# KiCad board FCSat_dual.kicad_pcb (continued)
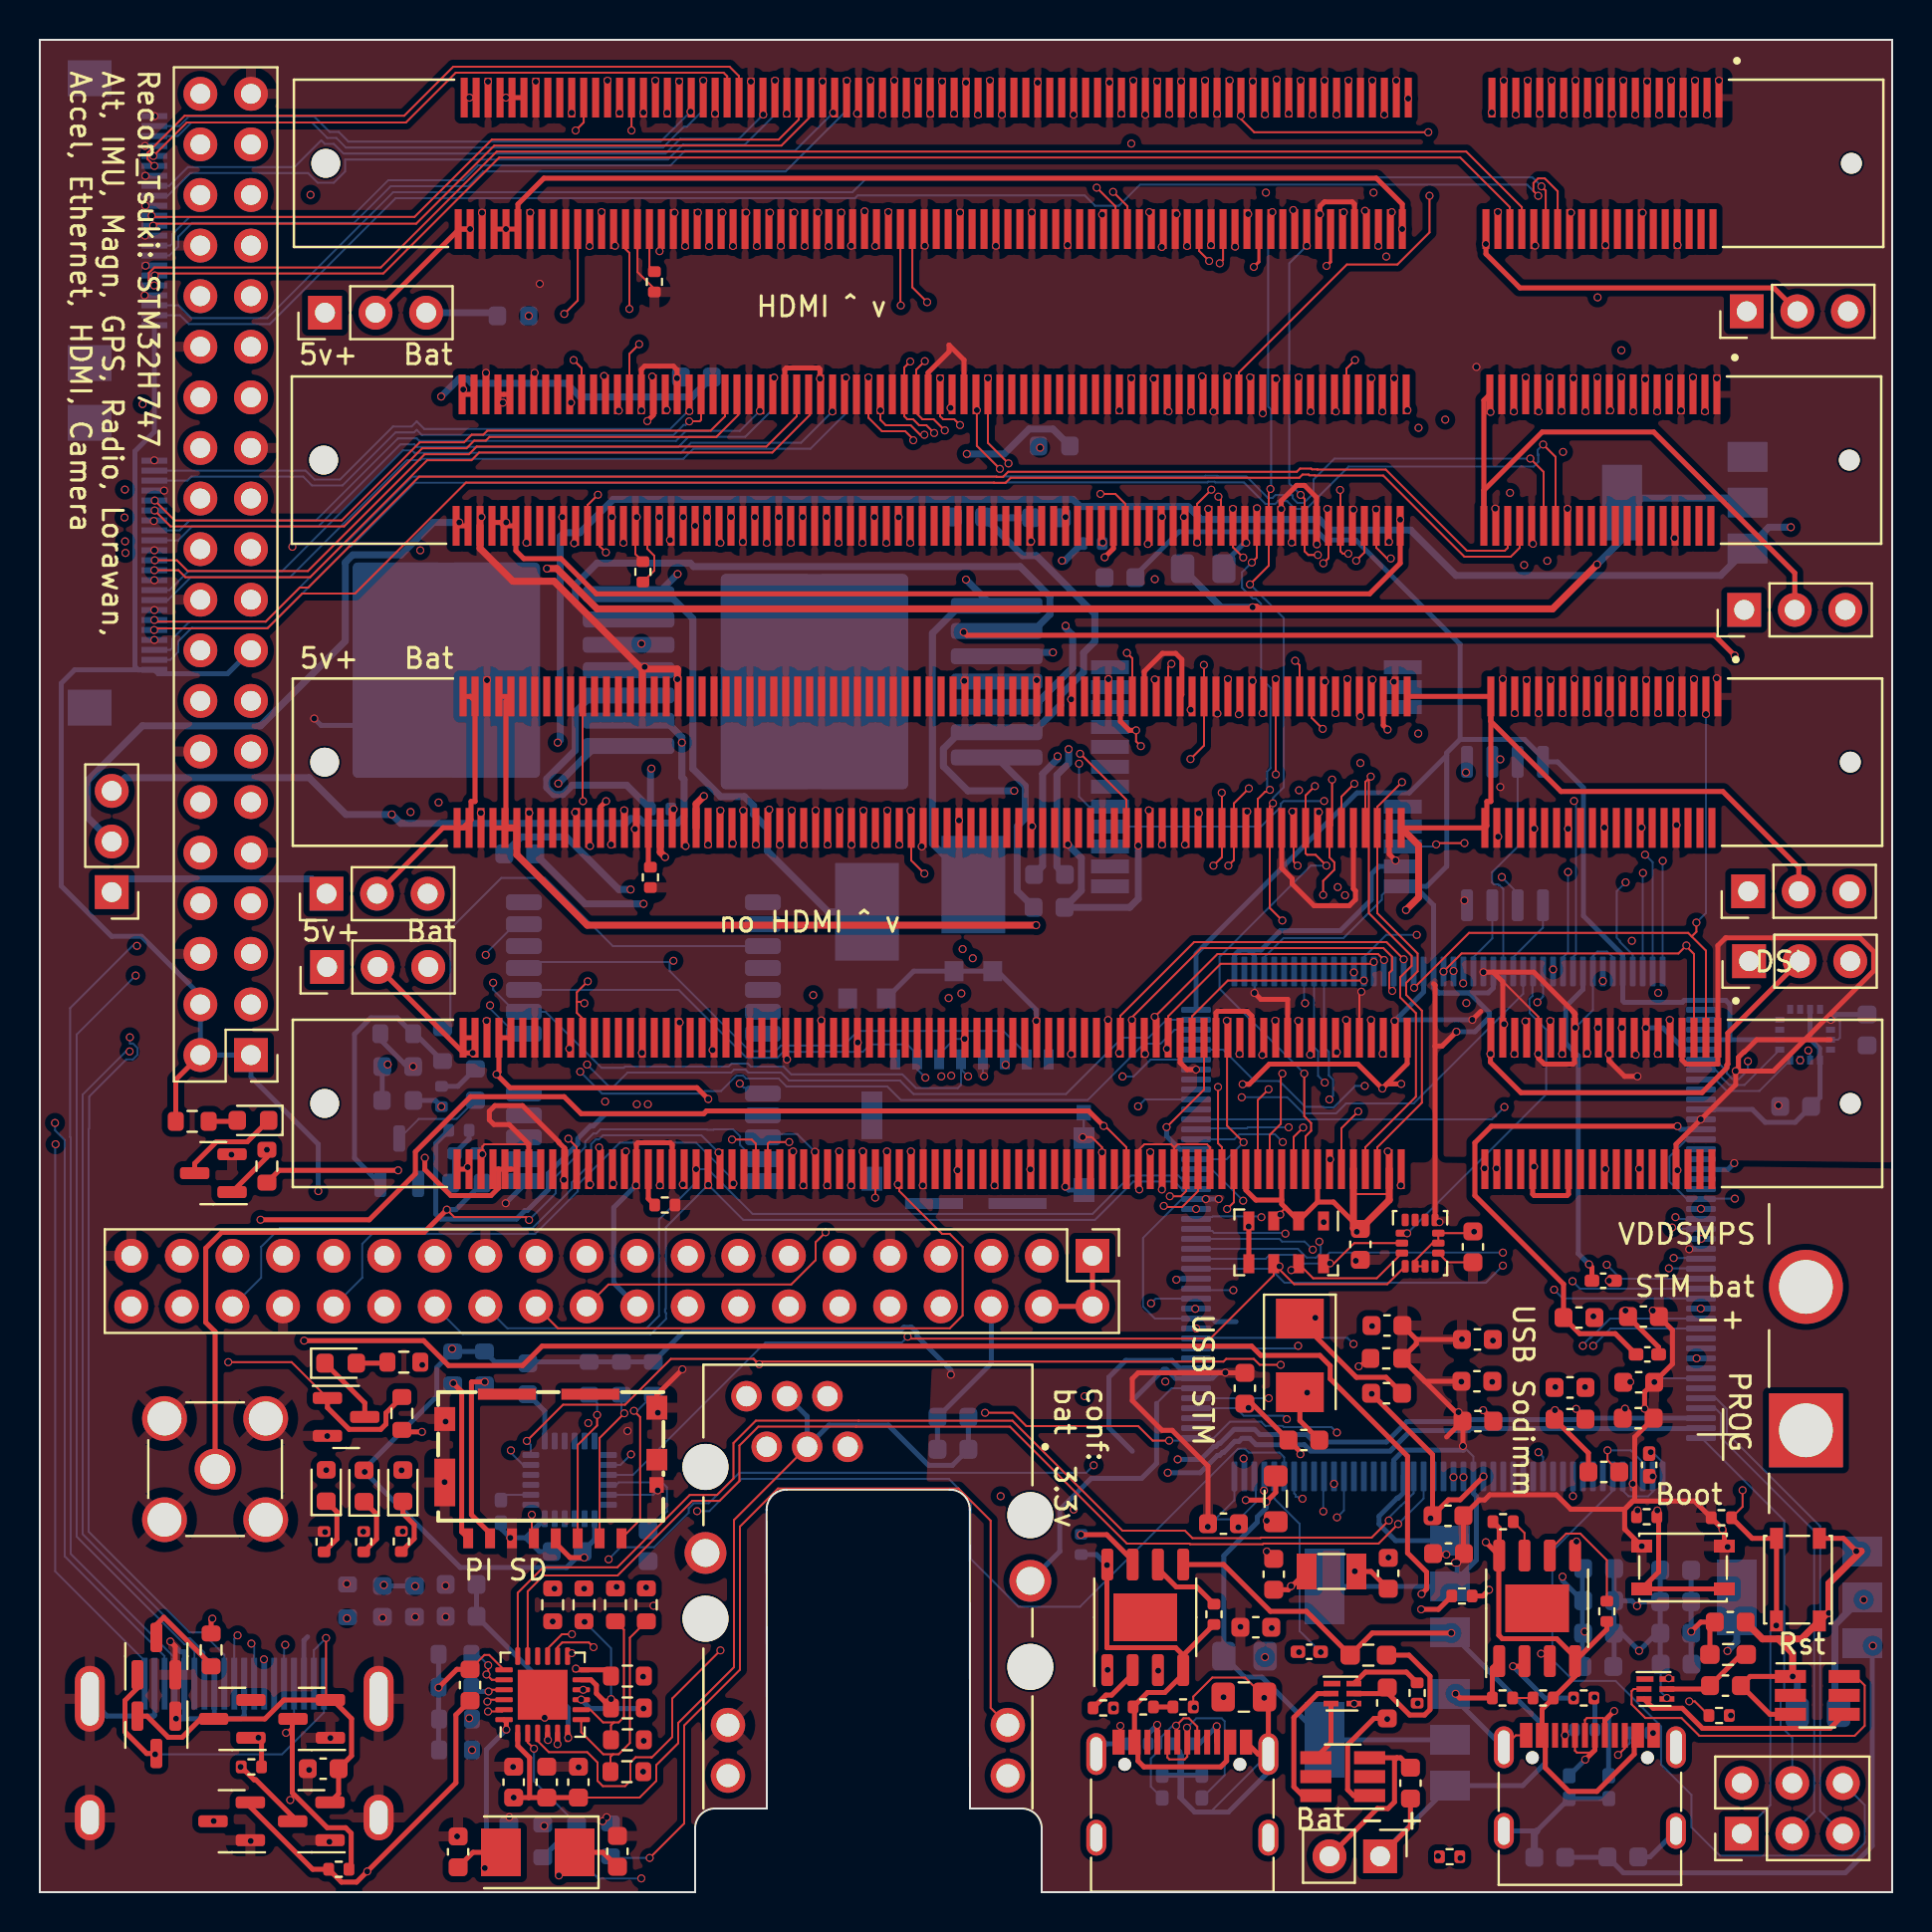
[diagram p0: board, top side]
## Routing (per net, layer and track width the routed paths; a pad name or vN(x,y) marks a point on that pad's centre or on a via; arc(x,y) is an arc through that point) (continued)
  Bottom w0.1: v1(67.73,18.66) 67.73,18.81 68.34,19.42 68.36,19.42 68.98,20.03 MainMCU1.158
U0_RX: length 125.7
  In1.Cu w0.1: v1(34.82,35.58) 34.82,37.15 34.32,37.66 34.32,37.92 34.74,38.34 34.74,40.43 34.74,40.43 34.74,40.76 34.79,40.81 v1(34.79,52.67) 34.7,52.75 v1(34.7,69.04) 34.67,69.07 34.67,74.7 34.8,74.83 34.8,75.84 34.81,75.85 34.81,76.19 34.8,76.2 v1(34.8,82.65)
  In2.Cu w0.1: v1(34.79,52.67) 35.43,52.02 58.41,52.02 58.68,52.29 67.56,52.29 67.78,52.5 68.53,52.5 68.94,52.09 v1(80.59,52.09)
  Bottom w0.1: P4.32 16.19,30.85 16.19,32.55 16.69,33.05 24.87,33.05 27.01,35.19 27.01,35.51 29.12,37.63 32.95,37.63 34.82,35.76 v1(34.82,35.58) ; v1(80.59,52.09) 80.98,51.71 MainMCU1.87
U0_TX: length 133
  In1.Cu w0.1: v1(34.27,84.32) 34,84.05 34,74.47 34.13,74.34 34.13,67.79 v1(34.17,67.75) 34.22,67.7 34.22,54.35 v1(34.17,54.3) 34.17,52.46 34.48,52.15 34.48,40.91 34.43,40.86 34.43,38.52 34.37,38.46 34.37,38.39 34.02,38.04 34.02,37.53 34.08,37.47 v1(34.08,37.14)
  In2.Cu w0.1: v1(81.48,51.78) 81.39,51.69 68.74,51.69 68.23,52.2 67.9,52.2 67.66,51.96 58.78,51.96 58.54,51.72 35.17,51.72 34.17,52.72 v1(34.17,54.3)
  Bottom w0.1: P4.36 11.11,30.85 11.11,32.41 12.05,33.35 24.74,33.35 26.71,35.31 26.71,35.64 27.69,36.62 27.69,37.22 27.68,37.23 27.68,37.56 27.92,37.79 28.07,37.79 28.28,38 33.21,38 v1(34.08,37.14) ; MainMCU1.88 81.48,51.77 v1(81.48,51.78)
U1_RX: length 94.7
  Top w0.35: 32.95,53.43 32.95,54.64 v1(33.34,55.03)
  In1.Cu w0.1: v1(32.95,36.3) 32.88,36.37 32.88,54.57 v1(33.34,55.03) 33.34,68.16 v1(32.9,68.6) 33.03,68.73 33.03,84.31 v1(33.04,84.32)
  Bottom w0.1: P4.26 23.47,28.31 30.46,28.31 31.09,28.94 31.09,33.78 32.95,35.64 v1(32.95,36.3) 33.54,36.3 35.79,34.05 52.85,34.05 54.78,35.98 57.16,35.98 57.34,35.8 MainMCU1.27
U1_TX: length 94.4
  In1.Cu w0.1: v1(33.6,82.65) 33.6,74.26 33.33,73.99 33.33,69.21 v1(33.5,69.04) 33.77,68.77 ; 33.77,52.82 v1(33.55,52.6) 34.18,51.97 34.18,41.03 34.07,40.92 34.07,38.52 33.84,38.28 33.77,38.28 33.72,38.23 33.72,38.08 33.62,37.98 33.62,35.57 v1(33.56,35.51)
  In1.Cu w0.15: 33.77,52.82 33.77,68.77
  Bottom w0.1: P4.28 21.23,28.01 30.66,28.01 31.44,28.79 31.44,29.07 31.39,29.12 31.39,29.25 31.43,29.29 31.43,33.38 v1(33.56,35.51) 35.32,33.75 52.97,33.75 54.9,35.68 56.96,35.68 57.34,35.3 MainMCU1.26
u1Rx: length 47.3
  In1.Cu w0.1: v1(64.48,54.78) 64.97,54.29 64.97,51.72 64.99,51.69 64.99,51.36 64.76,51.13 64.76,50.31 64.83,50.24 64.83,49.9 64.62,49.69 64.62,42.1 65.66,41.06 65.66,40.81 65.5,40.65 65.5,33.36 64.38,32.23 64.38,31.41 64.48,31.31 64.48,21 v1(64.98,20.5)
  Bottom w0.1: LoRaWan1.4 61.3,53.5 62.31,54.51 62.31,54.65 62.44,54.78 v1(64.48,54.78)
u1Tx: length 58.1
  In1.Cu w0.1: v1(52.18,56.66) 51.21,55.69 51.21,36.26 51.89,35.59 51.89,33.19 51.75,33.05 51.75,19.37 v1(51.91,19.21)
  In2.Cu w0.1: v1(51.91,19.21) 53.3,17.82 64.13,17.82 v1(65.13,18.82)
  Bottom w0.1: v1(65.13,18.82) 65.48,19.17 MainMCU1.165 ; v1(52.18,56.66) 52.18,55 52.68,54.5 LoRaWan1.5
U2_RX: length 108.7
  Top w0.1: v1(44.41,51.14) 43.75,51.8 43.75,53.43 ; v1(39.45,33.13) 38.95,32.63 38.95,31.73 37.73,30.51 28.55,30.51 P4.22 ; 43.8,83.5 43.8,80.57 v1(44.55,79.83)
  In1.Cu w0.1: v1(39.45,33.13) 41.23,33.13 43.73,35.63 v1(43.73,37.19) 43.75,37.21 43.75,54.25 v1(43.71,54.29) 43.75,54.33 43.75,67.7 v1(43.7,67.75) 43.7,72.33 43.41,72.63 43.41,73.16 44.64,74.39 44.64,76.44 45,76.8 45,79.38 v1(44.55,79.83)
  In2.Cu w0.1: v1(76.73,51.22) 76.56,51.38 73.26,51.38 73.01,51.14 v1(44.41,51.14)
  Bottom w0.1: MainMCU1.78 76.48,46.93 76.73,47.19 v1(76.73,51.22)
U2_TX: length 122.9
  Top w0.1: 43.2,83.5 43.2,79.69 v1(43.23,79.67) ; P4.24 26.01,28.31 45.69,28.31 46.33,28.95 46.33,32.41 45.69,33.05 45.3,33.05 43.15,35.2 U5.126
  In1.Cu w0.1: v1(43.08,35.54) 43.18,35.64 43.18,52.57 v1(43.15,52.6) 43.15,67.88 43.13,67.9 43.13,69.02 v1(43.12,69.03) 43.11,69.04 43.11,73.36 43.58,73.82 43.58,76.1 43.23,76.45 v1(43.23,79.67)
  In2.Cu w0.1: v1(77.03,54.79) 76.57,54.33 71.86,54.33 70.64,53.11 43.66,53.11 v1(43.15,52.6)
  Bottom w0.1: v1(77.03,54.79) 77.13,54.69 77.13,47.1 76.98,46.94 MainMCU1.79
USART1_RX: length 24.6
  Bottom w0.1: MainMCU1.129 84.11,24.3 84.4,24.01 84.4,22.82 89.08,18.14 89.08,4.03 J12.3
USART1_TX: length 25.3
  Bottom w0.1: 90.52,2.93 89.38,4.08 89.38,18.37 84.7,23.05 84.7,24.25 84.15,24.8 MainMCU1.128
USB_D_N: length 134.1
  Top w0.1: USB_C_ESP3.A7 78.08,7.22 77.86,7 77.17,7 77.08,7.1 USB_C_ESP3.B7
  Top w0.25: v1(30.5,73.86) 30.8,74.16 U3.167 ; USB_C_ESP3.A7 78.08,7.14 v1(77.59,6.66)
  In1.Cu w0.1: v1(30.74,76.09) 30.71,76.12 30.71,82.55 30.95,82.79 30.95,90.9 v1(30.9,90.95)
  In1.Cu w0.25: v1(69.22,73.52) 69.68,73.06 69.68,52.85 69.63,52.8 69.63,47.43 69.15,46.95 69.15,46.84 68.48,46.17 68.48,45.21 68.49,45.2 68.49,41.39 67.88,40.78 67.88,40.38 68.15,40.11 68.15,35.98 67.73,35.56 67.73,19.63 70.14,17.22 70.14,12.67 76.15,6.66 v1(77.59,6.66)
  In2.Cu w0.25: v1(69.22,73.52) 47.01,73.52 46.4,74.13 46,74.13 45.74,73.87 ; v1(30.5,73.86) 30.99,73.37 43.58,73.37 44.13,73.92 45.69,73.92 45.7,73.91
  Bottom w0.25: 76.79,5.85 v1(77.59,6.66)
USB_D_P: length 133.9
  Top w0.1: USB_C_ESP3.A6 77.58,8.64 77.67,8.74 78.48,8.74 78.58,8.64 USB_C_ESP3.B6
  Top w0.25: v1(79.04,9.09) 78.58,8.63 USB_C_ESP3.B6
  In1.Cu w0.1: v1(31.47,74.42) 31.59,74.54 31.59,83.98 31.47,84.11 31.47,89.31 v1(31.5,89.34)
  In1.Cu w0.25: v1(70.56,73.93) 70.69,73.8 70.69,47.11 69.79,46.21 69.79,21.35 73.06,18.08 77.35,18.08 79.04,16.39 v1(79.04,9.09)
  In2.Cu w0.25: v1(70.56,73.93) 69.61,74.88 46.03,74.88 45.92,74.99 45.53,74.99 45.42,74.88 44.35,74.88 44.2,74.73 43.81,74.73 43.66,74.87 43.66,74.87 43.65,74.88 31.93,74.88 v1(31.47,74.42)
  Bottom w0.25: v1(79.04,9.09) 78.76,8.82 78.76,5.85
~{Reset}: length 57.5
  Top w0.1: v1(26.71,12.95) 26.22,12.95 25.5,12.23
  In1.Cu w0.1: v1(26.71,12.95) 26.71,12.95 26.71,22.73 v1(27.54,23.55)
  In2.Cu w0.1: v1(27.54,23.55) 28.38,22.71 32.28,22.71 32.32,22.75 34,22.75 35.74,21.01 56.11,21.01 56.46,20.66 56.8,20.66 57.15,21.01 62.43,21.01 62.64,20.8 63.14,20.8 63.35,21.01 70.8,21.01 v1(70.98,20.83)
Net-(1.8vReg1-VI): length 38.1
  Top w0.25: BAT1.1 68.82,3.32 C35.1 ; BATCharge1.5 59.43,16.45 61.78,14.1 63.59,14.1 R15.1 66.9,13.01 v1(70.86,13.01)
  Bottom w0.25: 67.29,1.84 1.8vReg1.3 74.45,5.35 75.58,6.49 75.58,8.27 VoltReg1.3
Net-(#FLG01-pwr): length 9.8
  Top w0.25: v1(26.53,7.76) 26.53,7.94 U1.6
  Bottom w0.25: v1(26.53,7.76) 26.53,9.24 21.92,13.85 21.92,15.45
Net-(#FLG02-pwr): length 61.5
  Top w0.1: C46.1 30.11,4.75 30.95,5.59 30.95,6.38 32.05,7.48 32.05,8.49 34.85,11.29 34.85,18.68 J5.5 ; L4.2 22.32,11.91 22.56,11.91 U1.19
  Top w0.25: v1(20.02,10.27) 20.94,11.19 L4.2 ; C46.1 24.55,4.75 ; 24.55,4.75 v1(23.79,4.75) ; 24.55,4.75 24.59,4.79 24.59,6.75 24,7.35 U1.1
  In1.Cu w0.1: v1(23.79,4.75) 23.52,4.75 20.02,8.25 v1(20.02,10.27)
  Bottom w0.25: C47.1 C48.1 45.81,21.43 44.62,21.43 42.6,23.45 39.62,23.45 J5.5 38.53,23.88 J5.11 ; 20.02,7.16 v1(20.02,10.27) R28.1
Net-(Accel1-CPOUT): length 1.6
  Bottom w0.1: C31.1 23.42,19.95 Accel1.20
Net-(Accel1-REGOUT): length 5.6
  Bottom w0.1: Accel1.10 28.94,20.45 29.06,20.57 31.24,20.57 31.48,20.33 31.48,19.11 C32.2
Net-(BATCharge1-Prog): length 2.7
  Top w0.25: R13.1 53.52,9.89 53.81,9.89 54.86,10.95
Net-(BATCharge1-~{CHRG}): length 3.1
  Top w0.25: v1(52.27,17.95) 53.57,17.95 54.86,16.65
Net-(BATCharge1-~{STDBY}): length 3.6
  Top w0.25: 56.14,16.25 57.06,15.32 58.08,15.32 R9.1
Net-(BATCharge2-BAT): length 6.4
  Top w0.25: v1(72.76,15.18) 72.45,14.87 R61.1
  In1.Cu w0.25: v1(72.76,15.18) 75.18,17.6 v1(77.15,17.6)
Net-(BATCharge2-Prog): length 4.4
  Top w0.25: v1(73.96,11.34) 74.28,11.34 BATCharge2.2
  Bottom w0.25: v1(73.96,11.34) 75.56,9.74 v1(77,9.74)
Net-(BATCharge2-~{CHRG}): length 1.9
  Top w0.1: BATCharge2.7 74.54,18.03 73.98,18.6
Net-(BATCharge2-~{STDBY}): length 5.8
  Top w0.1: 75.81,17.18 76.63,18 77.34,18 78.67,16.67 R49.1
Net-(BatProt1-BAT): length 8.8
  Top w0.25: 65.98,9.97 67.35,9.97 67.65,10.27 ; 67.65,10.02 68.77,8.89 69.52,8.89 69.8,9.16 69.8,10.84 68.74,11.9 R15.2
Net-(BatProt1-Cout): length 7.1
  Top w0.25: PowerMosfet1.6 63.4,4.85 62.96,5.29 62.96,8.77 64.16,9.97 BatProt1.2
Net-(BatProt1-Dout): length 3
  Top w0.25: BatProt1.3 64.83,7.51 PowerMosfet1.4
Net-(BatProt1-V-): length 3.6
  Top w0.25: R14.1 68.61,11.05 66.55,11.05 65.98,10.47
Net-(BatProt2-BAT): length 4.2
  Top w0.25: BatProt2.5 83.69,10.2 ; 85.42,11.93 C51.2
Net-(BatProt2-Cout): length 16.6
  Top w0.1: BatProt2.2 80.02,10.2 79.92,10.09 79.92,9.43 80.61,8.74 82.42,8.74 83.32,7.85 91.12,7.85 91.62,8.35 91.62,10.38 91.17,10.83
Net-(BatProt2-Dout): length 11
  Top w0.25: BatProt2.3 81.01,9.23 82.46,9.23 83.47,8.22 89.89,8.22 PowerMosfet2.4
Net-(BatProt2-V-): length 2.9
  Top w0.1: v1(82.81,9.58) 83.09,9.58 R54.1
  In1.Cu w0.1: v1(81.78,10.74) 82.81,9.71 v1(82.81,9.58)
Net-(C5-Pad2): length 16.4
  Top w0.25: C5.2 77.93,31.37 v1(77.78,31.52)
  Bottom w0.25: MainMCU1.80 77.48,45.32 76.61,44.46 76.61,42.62 77.24,41.99 77.24,32.06 v1(77.78,31.52)
Net-(C6-Pad2): length 1.5
  Bottom w0.1: v1(80.88,22.09) 80.97,22.09 81.48,21.58 MainMCU1.133
Net-(C7-Pad2): length 47.8
  Top w0.1: C7.2 78.71,21.69 v1(78.71,22.18)
  In1.Cu w0.1: v1(78.71,22.18) 79.18,22.66 79.18,42.29 79,42.47 79,45.23 v1(78.47,45.75)
  In2.Cu w0.1: v1(78.71,22.18) 77.85,21.33 60.88,21.33 v1(60.44,21.77)
  Bottom w0.1: MainMCU1.175 60.48,21.73 v1(60.44,21.77) ; v1(78.71,22.18) 79.88,22.18 80.48,21.58 MainMCU1.135
Net-(C23-Pad2): length 9.8
  Bottom w0.1: MainMCU1.172 61.98,19.77 63.25,18.49 63.25,13.11 v1(64.31,12.05)
Net-(C33-Pad1): length 2.8
  Bottom w0.25: 20.82,35.78 C33.1 21.55,37.82 R4.1
Net-(D1-A): length 2.1
  Bottom w0.25: D1.2 20.99,40.46 R6.1
Net-(D1-K): length 4.6
  Bottom w0.1: D1.1 20.92,38.82 19.03,38.82 Q1.3
Net-(D5-A): length 1.4
  Top w0.25: R42.2 9.86,38.7
Net-(D5-K): length 5.1
  Top w0.25: D5.1 10.41,37.67 8.87,37.67 7.78,36.58 Q3.3
Net-(D6-K): length 3
  Top w0.25: R56.1 14.92,17.73 14.92,19.09 D6.1
Net-(D10-K): length 22.3
  Top w0.1: 14.37,9.87 v1(14.37,12.76)
  Top w0.25: D11.2 5.38,8.84 6.45,7.77 7.15,7.77 8.07,8.7 D7.3 11.3,8.7 12.25,9.65 D10.2 ; D9.2 15,4.94 C53.1 15.65,6.85 15.65,8.71 14.71,9.65
  Bottom w0.1: v1(14.37,12.76) 13.76,12.15 J8.18
Net-(D11-common): length 15.9
  Top w0.25: D11.3 5.37,6.96 4.28,8.05 4.28,9.62 4.9,10.25 Q2.1
  Bottom w0.1: v1(5.79,6.92) 12.16,6.92 14.26,9.02 J8.19
Net-(D13-K): length 3
  Top w0.25: R57.1 16.91,17.73 16.91,18.98 D13.1
Net-(D14-K): length 3
  Top w0.25: D14.1 18.23,19.01 18.8,18.45 18.8,17.74 R58.1
Net-(D15-A): length 1.5
  Top w0.25: D15.2 17.4,26.56
Net-(D15-K): length 3.5
  Top w0.25: D15.1 16.31,24.56 Q4.3
Net-(D16-K): length 29.6
  In1.Cu w0.35: v1(46.5,65.9) 46.5,72.17 v1(46.54,72.21)
  Bottom w0.35: 46.2,64.59 44.82,63.21 44.82,52.64 D16.3 ; 47.81,64.59 v1(46.5,65.9) ; L5.1 50.86,73.46 49.67,73.46 48.42,72.21 v1(46.54,72.21)
Net-(D17-K): length 51.8
  In1.Cu w0.35: v1(24.55,79.14) 23.39,79.14 18.98,74.73 18.98,67.49 v1(19.1,67.37)
  In2.Cu w0.35: v1(32.02,66.18) 31.77,65.93 20.54,65.93 v1(19.1,67.37)
  Bottom w0.35: 31.57,65.16 32.78,63.95 32.78,56.4 34.18,55 35.37,55 35.84,54.54 35.84,54.11 36.53,53.41 36.53,52.27 39.58,49.22 D17.3 ; 31.01,65.16 v1(32.02,66.18)
Net-(GPS1-RF_IN): length 45.6
  Top w0.1: v1(24.56,33.75) 24.42,33.89 20.81,33.89 v1(20.43,34.27)
  Top w0.25: v1(20.43,34.27) 19.29,33.12 9.12,33.12 8.33,32.33 8.33,28.61 8.8,28.14 J4.1
  Bottom w0.1: v1(24.56,33.75) 25.91,35.09 25.91,35.93 27.38,37.41 27.38,37.68 27.79,38.09 27.94,38.09 28.15,38.3 33.49,38.3 33.5,38.28 33.84,38.28 33.85,38.3 34.8,38.3 35.16,37.95 35.16,37.51 35.87,36.8
  Bottom w0.25: v1(20.43,34.27) 20.89,34.27 L2.1
Net-(GPS1-TIMEPULSE): length 23.3
  Bottom w0.1: R3.1 20.61,43.77 20.61,48.36 23.17,50.92 25.35,50.92 28.77,47.5 GPS1.3
Net-(GPS1-VCC): length 11.4
  In1.Cu w0.1: v1(22.39,47.06) 22.39,46.65 17.47,41.72 v1(17.47,41.56)
  Bottom w0.1: 23.87,48.6 22.39,47.12 v1(22.39,47.06)
  Bottom w0.25: C25.2 17.19,39.76
Net-(GPS1-VCC_RF): length 23.7
  Bottom w0.25: 36.08,39.22 33.47,39.22 33.32,39.06 28.39,39.06 27.79,38.46 27.64,38.46 27.01,37.84 27.01,37.57 25.53,36.09 25.53,35.28 24.47,34.22 24.35,34.22 23.92,33.79 20.13,33.79 19.88,34.05 19.88,37.6 R4.2
Net-(J5-Pad13): length 45.1
  Top w0.1: v1(30.62,1.72) 32.35,3.45 32.35,8.37 35.15,11.17 35.15,18.36 37.06,20.27 46.12,20.27 47.74,18.65 47.74,9.25 J5.13
  Bottom w0.1: v1(30.62,1.72) 28.73,1.72
Net-(J5-Pad16): length 12.7
  In2.Cu w0.1: v1(30.2,0.69) 30.2,4.94 31.11,5.85 J5.16
  Bottom w0.1: R32.2 28.03,0.69 v1(30.2,0.69)
Net-(J6-CD/DAT3): length 7.8
  Top w0.1: v1(29.34,24.04) 28.1,22.8 28.1,17.77
  Bottom w0.1: v1(29.34,24.04) 29.2,24.18 R36.2
Net-(J6-DAT1): length 8.1
  Top w0.25: 21.5,17.77 21.18,18.09 21.18,25.13 v1(20.76,25.55)
Net-(J6-DAT2): length 8.2
  Top w0.1: v1(29.83,24.17) 30.14,23.85 30.14,18.7 29.2,17.77
  Bottom w0.1: R37.2 29.99,24.17 v1(29.83,24.17)
Net-(J7-Pin_2): length 14.3
  Top w0.25: 21.61,83.5 U2.200 ; J7.2 21.05,83.5 v1(21.61,83.5) ; 21.91,90.1 21.31,90.1
  In1.Cu w0.25: v1(21.57,90.1) 21.57,83.53 v1(21.61,83.5)
Net-(J9-Pin_2): length 38.1
  Top w0.25: U3.197 U3.199 ; U3.198 U3.200
  In1.Cu w0.25: v1(21.26,75.44) 21.5,75.2 21.5,69.21 v1(21.06,68.77)
  Bottom w0.35: J9.2 2.39,53.97 2.39,55.8 5.15,58.56 11.08,58.56 15.34,62.81 15.34,66.76 15.71,67.14 18.13,67.14 19.76,68.77 v1(21.06,68.77)
Net-(J10-Pin_2): length 14
  Top w0.25: 21.55,53.43 20.95,53.43 ; J10.2 20.24,53.44 21.25,53.44 21.65,53.84 21.65,54.76 21.85,54.76 21.85,59.79 21.61,60.03 ; U4.197 21.61,60.03 ; 21.61,60.03 U4.199
Net-(J11-Pin_2): length 13.6
  Top w0.25: J11.2 21.27,42.14 v1(21.74,42.14) ; U5.198 U5.200 ; U5.197 U5.199
  In1.Cu w0.25: v1(21.48,36.4) 21.45,36.43 21.45,41.86 v1(21.74,42.14)
Net-(MainMCU1-BOOT0): length 26.9
  Top w0.25: SW1.2 80.42,15.22 81.27,16.07 81.27,18.76
  In2.Cu w0.1: v1(64.44,19.12) 64.65,19.33 79.82,19.33 80.05,19.56 80.38,19.56 80.68,19.27 81.11,19.27 v1(81.21,19.16)
  Bottom w0.1: 64.44,20.84 v1(64.44,19.12)
Net-(MainMCU1-PC14): length 20.2
  Top w0.25: Y1.2 62.69,15.18 C3.2
  In1.Cu w0.1: v1(62.82,15.37) 63.47,16.02 63.47,18.85 63.43,18.89 63.43,19.09 63.39,19.13 63.39,19.2 63.17,19.42 62.93,19.42 62.85,19.34 62.85,19.35 62.85,22.15 63.18,22.47 v1(63.18,27.43)
  Bottom w0.1: MainMCU1.10 63.05,27.3 v1(63.18,27.43)
Net-(MainMCU1-PC15): length 21.5
  Top w0.25: Y1.1 66.83,16.1 C1.2
  In1.Cu w0.1: v1(66.02,16.11) 65.82,16.31 65.82,27.38 v1(65.96,27.52)
  Bottom w0.1: v1(65.96,27.52) 65.65,27.83 58.08,27.83
Net-(MainMCU1-PH0): length 20.5
  Top w0.25: C2.1 63.26,23.67 Y2.2
  In1.Cu w0.1: v1(62.4,37.66) 62.89,37.17 62.89,33.25 63.21,32.93 63.21,31.42 63.23,31.4 63.23,31.07 63.63,30.67 v1(63.63,25.08)
  Bottom w0.1: MainMCU1.31 59.97,37.8 60.22,38.05 62.01,38.05 v1(62.4,37.66)
Net-(MainMCU1-PH1): length 21.4
  Top w0.25: 63.26,28.69 66.1,25.85 67.59,25.85 C4.1
  In1.Cu w0.1: v1(62.7,38.4) 62.7,37.93 63.2,37.43 63.2,33.36 63.51,33.05 63.51,31.53 64.04,31 v1(64.04,28.84)
  Bottom w0.1: v1(62.7,38.4) 60.65,38.4 60.6,38.35 58.1,38.35
Net-(MainMCU1-VCAPDSI): length 26.8
  Top w0.25: v1(82.22,38.46) 72.88,38.46 72.05,37.62 72.05,34.97 76.5,30.52 C49.2 77.31,28.04 79.1,28.04 C24.2
  Bottom w0.25: MainMCU1.101 82.38,38.3 v1(82.22,38.46)
Net-(MainMCU1-VDD12DSI-Pad102): length 47.7
  In1.Cu w0.1: v1(85.1,34.82) 84.08,33.8 84.08,15.31 80.6,11.83 80.6,7.68 74.51,1.6 71.88,1.6
  In1.Cu w0.35: 71.88,1.6 71.43,1.6 v1(71.32,1.71)
  Bottom w0.1: v1(85.1,34.82) 83.42,34.82 ; MainMCU1.108 82.69,34.8 81.82,35.67 81.82,36.93 82.69,37.8 MainMCU1.102
Net-(MainMCU1-VDD33_USB): length 9.3
  In1.Cu w0.1: v1(77.99,27.43) 77.99,25.12 v1(77.13,24.26)
  Bottom w0.1: MainMCU1.121 78.86,28.3 v1(77.99,27.43)
Net-(MainMCU1-VDD50_USB): length 8.6
  In1.Cu w0.1: v1(77.47,27.43) 77.47,25.47 v1(77.58,25.36)
  Bottom w0.1: v1(77.47,27.43) 77.59,27.55 77.59,27.59 77.82,27.83 77.87,27.83 78.84,28.8 MainMCU1.120
Net-(MainMCU1-VLXSMPS): length 18.5
  In1.Cu w0.1: v1(61.6,18.65) 60.87,17.92 59.63,17.92 59.62,17.93 59.62,19.83 57.32,22.13 56.16,22.13 55.95,22.34 55.95,29.4 v1(55.79,29.56)
  Bottom w0.1: MainMCU1.15 56.03,29.8 v1(55.79,29.56)
Net-(PowerMosfet1-S2): length 8.9
  Top w0.25: C35.2 68.32,6.75 68.14,6.75 ; BAT1.2 67.15,4.2 67.69,4.2 68.02,4.53 68.02,6.62 68.14,6.75 ; 68.14,6.75 PowerMosfet1.3
Net-(Q1-B): length 13.6
  Bottom w0.25: Q1.2 15.8,36.85 15.8,43.08 16.62,43.9 17.94,43.9 R5.2 ; 18.84,43.1 R3.2
Net-(Q2-D): length 4.5
  Top w0.25: Q2.3 5.85,13.43 6.22,13.8 8.6,11.42
Net-(U1-CRS_DV/MODE2): length 6.7
  Top w0.25: R23.2 27.95,9.98 27.95,10.39 27.67,10.66 U1.11
  Bottom w0.1: v1(27.35,13.57) 28.68,12.24 v1(28.68,9.69)
Net-(U1-RBIAS): length 7.8
  Top w0.25: U1.24 23.42,8.55 v1(23.42,8.16)
  Bottom w0.25: R25.1 22.42,2.88 22.42,7.16 v1(23.42,8.16)
Net-(U1-RXD0/MODE0): length 8.4
  Top w0.1: 28.82,8.52 28.28,8.52 27.64,9.16 U1.8 ; 28.82,8.52 29.06,8.52 29.33,8.79 29.33,13.17 R17.1 ; 28.82,8.52 28.67,8.38 R21.2
Net-(U1-RXD1/MODE1): length 11.1
  Top w0.1: 28.78,6.92 28.65,6.79 R22.2 ; 28.78,6.92 28.29,6.92 27.18,8.03 U1.7 ; 28.78,6.92 29.06,6.92 29.63,7.49 29.63,12.77 R18.1
Net-(U1-RXER/PHYAD0): length 13.3
  In1.Cu w0.1: v1(27.28,10.16) 23.01,10.16 22.64,10.53 20.68,10.53 17.86,13.35 15.82,13.35 v1(15.42,13.75)
Net-(U1-XTAL1/CLKIN): length 10.3
  Top w0.25: v1(26.06,0.84) 26.06,1.21 ; U1.5 26,7.43 v1(25.99,7.43) ; C38.2 28.28,2 Y3.1
  In1.Cu w0.25: v1(26.06,0.84) 26.46,1.24 26.46,6.96 v1(25.99,7.43)
Net-(U1-XTAL2): length 10.7
  Top w0.25: U1.4 25.5,7.66 v1(25.51,7.64) ; C39.2 21.75,2 Y3.2
  In1.Cu w0.25: v1(22.34,1.21) 22.53,1.21 25.51,4.19 v1(25.51,7.64)
Net-(U1-~{INT}/REFCLKO): length 5.2
  Top w0.1: U1.14 26,12.3 26.23,12.54 27.56,12.54 v1(27.8,12.3)
  In2.Cu w0.1: v1(25.75,13.59) 25.75,13.33 26.53,12.55 27.55,12.55 v1(27.8,12.3)
Net-(U2-USB_OTGID): length 2.2
  Top w0.1: U2.168 30.61,81.61 R40.2
Net-(U3-USB_OTGID): length 3.2
  Top w0.1: R43.2 30.85,66.35 30.85,67.09 30.5,67.44 U3.168
Net-(U4-USB_OTGID): length 1.9
  Top w0.25: 30.55,53.43 30.55,51.56
Net-(U5-USB_OTGID): length 1.9
  Top w0.25: R46.2 30.55,34.82 U5.168
Net-(U6-CB): length 20.9
  In1.Cu w0.35: v1(30.21,62.68) 29.73,62.2 29.73,56.61 30.4,55.94 30.4,52.62 29.66,51.88 v1(29.66,50.34)
  Bottom w0.35: C68.1 24.17,52.98 26.43,52.98 29.07,50.34 v1(29.66,50.34)
Net-(U6-Input): length 167.1
  Top w0.25: v1(85.09,62.09) 84.08,63.1 46.54,63.1 v1(46.38,63.26) ; v1(82.91,13.08) 83.39,13.56 84.1,13.56 ; R61.2 70.22,14.2 v1(69.35,14.2) ; R55.1 83.85,13.31
  In1.Cu w0.25: v1(85.09,62.09) 85.09,61.19 84.6,60.7 84.6,36 85.57,35.02 85.57,26.29 BAT2.1
  In2.Cu w0.25: 77.75,13.08 v1(77.56,13.08) ; v1(76.45,15.84) 74.81,14.2 v1(69.35,14.2)
  In2.Cu w0.35: v1(77.56,13.08) 84.12,19.64 87.32,19.64 88.67,20.98 BAT2.1 88.67,18.84 v1(82.91,13.08) 77.75,13.08
  Bottom w0.25: C58.1 82.91,11.47 ; C64.1 77.45,16.21 ; v1(76.45,15.84) 76.45,15.64 77.46,14.63
  Bottom w0.35: 27.72,63.89 26.89,64.73 26.89,65.63 27.98,66.73 32.65,66.73 32.83,66.55 49.21,66.55 50.71,65.05 50.71,64.15 49.88,63.32
Net-(U6-SS): length 44.3
  In1.Cu w0.35: 20.14,75.11 20.02,74.99 v1(20.02,54.71)
  In2.Cu w0.35: v1(20.02,54.71) 25.08,54.71 v1(26.03,55.66)
  Bottom w0.35: v1(20.15,75.09) 21.03,75.97 21.48,75.97 21.7,75.75 26.44,75.75 27.13,75.07 32.74,75.07 C69.1 ; 27.92,57.54 v1(26.03,55.66)
Net-(U6-VSW): length 27.3
  In1.Cu w0.35: v1(30.71,56.41) 30.95,56.17 30.95,52.39 30.31,51.75 v1(30.31,49.62)
  Bottom w0.35: C68.2 27.38,49.62 v1(30.31,49.62) ; v1(30.71,56.41) 30.66,56.37 R62.2 29.46,55.58 26.73,55.58 26.26,55.11 25.8,55.11 25.45,55.46 25.45,55.9 26.89,57.33 26.89,59.25 27.72,60.08
Net-(U7-CB): length 14.5
  In1.Cu w0.35: v1(50.86,62.24) 50.69,62.07 50.69,57.44 v1(51.1,57.03)
  Bottom w0.35: v1(51.1,57.03) 51.1,56.9 50.35,56.15 50.35,51.52 C63.1 ; v1(50.86,62.24) 48.23,62.24
Net-(U7-SS): length 8.6
  Bottom w0.35: C56.1 49.07,50.27 49.07,53.5 49.47,53.9 49.47,55.54 U7.7
Net-(U7-VSW): length 23.2
  In1.Cu w0.35: v1(51.32,66.85) 51.55,66.62 51.55,63.63 v1(51.5,63.58) 51.81,63.27 51.81,62.4 51.24,61.83 51.24,57.8 v1(51.65,57.39)
  Bottom w0.35: Rw1.2 51.46,66.85 v1(51.32,66.85) ; 49.88,59.51 51.85,61.48 51.85,63.12 51.5,63.47 v1(51.5,63.58) ; 51.46,51.09 51.06,51.49 51.06,56.09 51.65,56.68 v1(51.65,57.39)
Net-(USB_C_ESP1-CC1): length 2
  Top w0.25: v1(56.1,8.4) 56.1,7.54
  Bottom w0.25: R11.2 55.65,7.95 v1(56.1,8.4)
Net-(USB_C_ESP1-CC2): length 2.4
  Top w0.25: 59.09,7.56 v1(59.09,8.33)
  Bottom w0.25: R12.2 58.21,7.45 v1(59.09,8.33)
Net-(USB_C_ESP3-CC1): length 0.4
  Bottom w0.1: 76.85,8.15 v1(76.58,7.87)
Net-(USB_C_ESP3-CC2): length 2.5
  Top w0.1: v1(79.24,6.89) 79.58,7.23 USB_C_ESP3.B5
  Bottom w0.1: v1(79.24,6.89) 79.83,7.48 R52.2

## Copper pours and planes (outline as drawn; the poured copper is in the pictures)
+3.3V on Top, Bottom: 100.32,49.08 45.23,49.78 43.12,-3.34 96.45,-3.52
+3.3V on In2.Cu: 70.46,34.73 71.41,-4.07 39.55,-4.44 39.4,35.31
+3.3VA on In2.Cu: 71.41,-4.07 96.02,-3.9 97.55,34.4 70.46,34.73
+3.3VA on In2.Cu: -5,41.66 39.69,42.21 38.83,-0.94 -4.09,-1.81
+3.3VA on In2.Cu: -2,95.4 97.75,96.05 97.55,34.4 -2.65,33.75
VSS on Top: -1.73,93.86 96.58,96.43 100.06,36.55 44.97,37.25 43.12,-3.34 -3.08,-3.36
VSS on Bottom: -10.83,-4.19 43.12,-3.34 45.23,49.78 103.56,49.43 103.52,102.96 -11.06,104.46
VSS on In1.Cu: -0.35,95.95 94.4,95.75 94.7,-2.2 -3.95,-3.7

## Text on the board
B.Silkscreen: STM32 SD
F.Silkscreen: Recon_Tsuki: STM32H747 | conf: / bat  3.3v | USB Sodimm | PROG | 5v+   Bat | PI SD | no HDMI ^ v | HDMI ^ v | Bat - + | VDDSMPS | STM bat / -+ | Boot | DSI | Rst | Alt, IMU, Magn, GPS, Radio, Lorawan, / Accel, Ethernet, HDMI, Camera | USB STM
